# KiCad board s100_ColorMagic-1.1-006.kicad_pcb (continued)
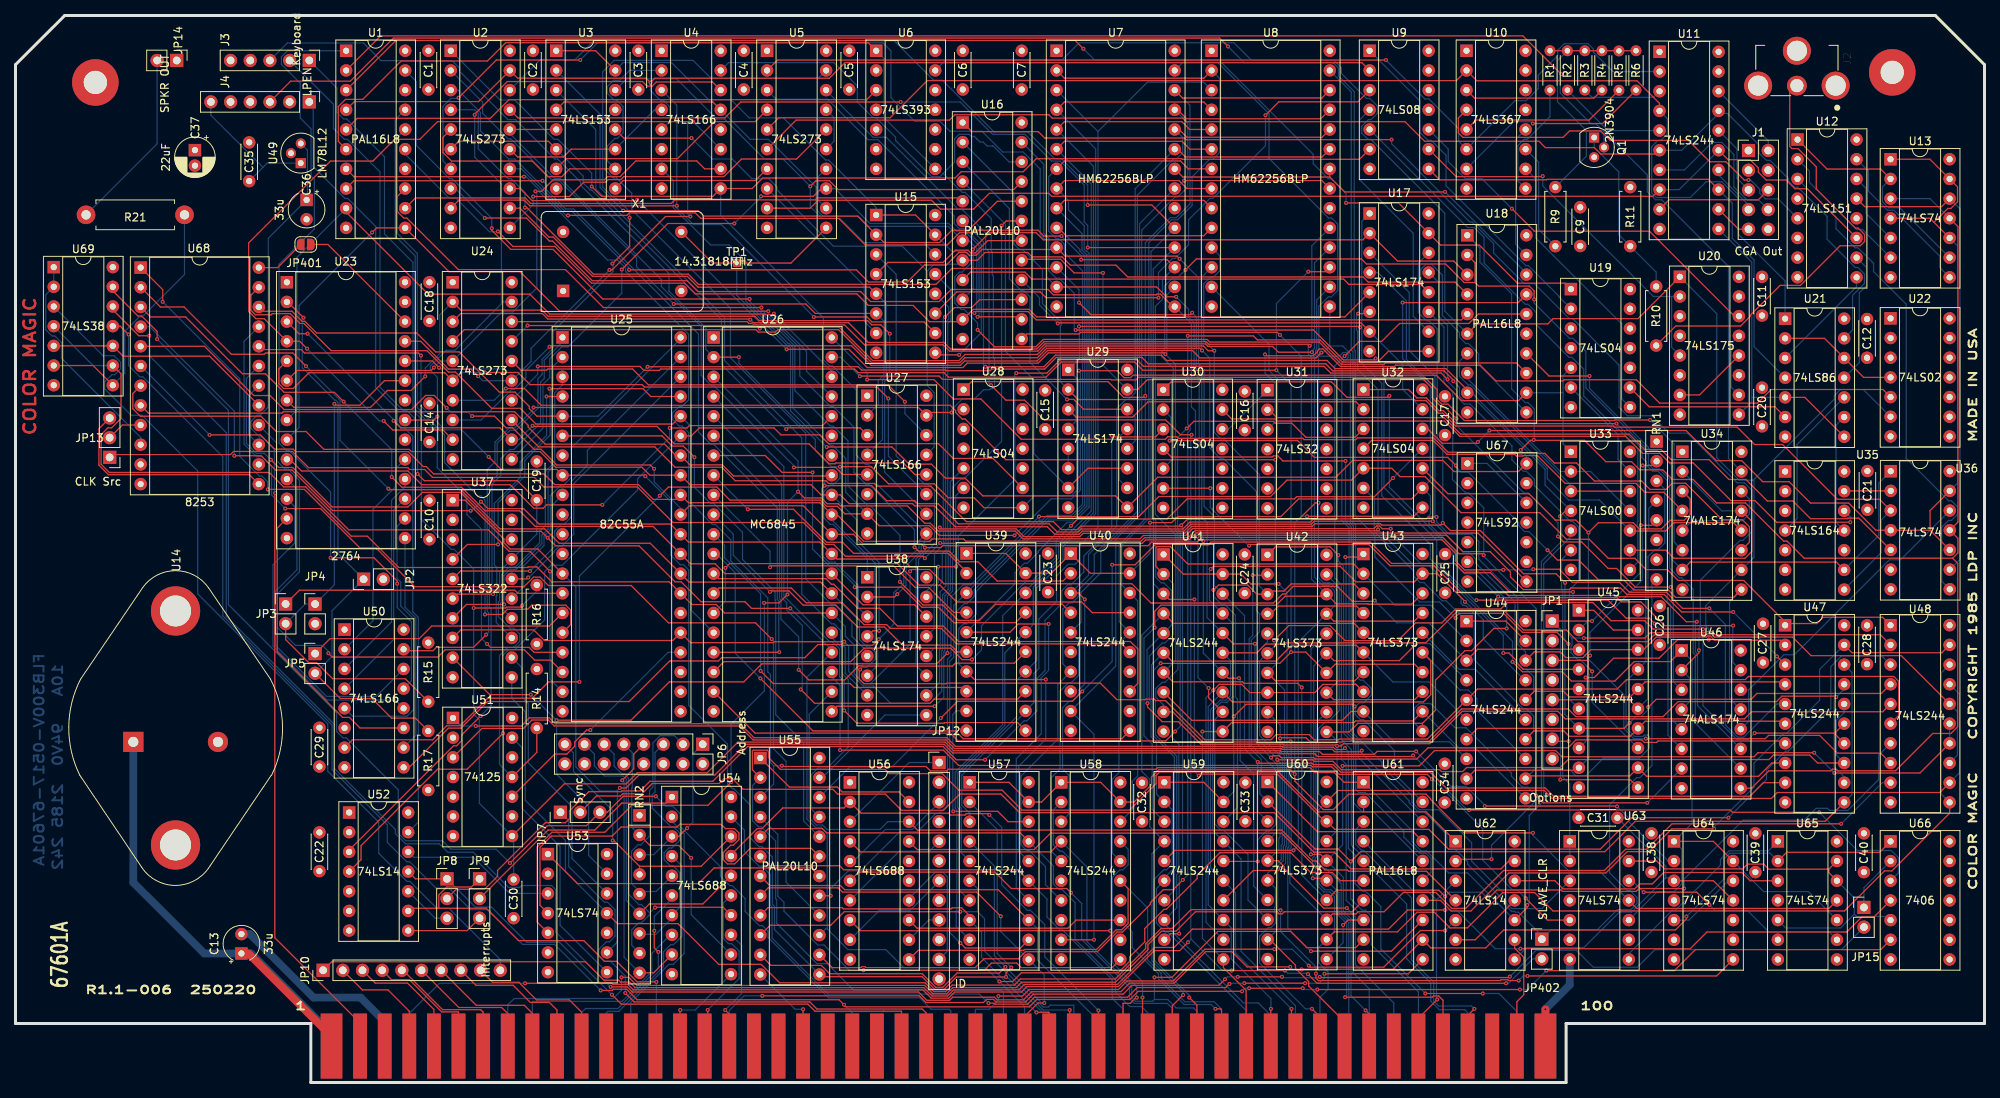
[diagram p0: board, top side]
## Routing (per net, layer and track width the routed paths; a pad name or vN(x,y) marks a point on that pad's centre or on a via; arc(x,y) is an arc through that point) (continued)
  Copper w0.152: v1(140.28,104.49) 140.28,92.57 143.42,89.43 ; v1(185.87,85.68) 185.87,84.79 194.58,76.09 195.11,76.09 198.98,72.21 v1(198.98,70.47) ; v1(213.53,63.93) 213.85,63.61 213.85,51.76 U46.3
Q7: length 158.8
  Component w0.152: v1(177.52,121.68) 151,121.68 150.79,121.89 132.76,121.89 131.93,122.72 123.35,122.72 U16.1 ; U46.2 217.16,55.45 v1(217.16,55.79)
  Copper w0.152: v1(217.16,55.79) 217.16,58.63 217.34,58.82 217.34,64.83 222.47,69.97 222.84,69.97 223.96,71.09 223.96,76.46 223.04,77.39 222.09,77.39 215.67,83.81 213.32,83.81 211.08,86.05 207.95,86.05 206.85,87.15 206.85,92.6 200.86,98.59 200.45,98.59 195.91,103.12 194.61,103.12 190.68,107.06 190.68,108.27 187.88,111.07 187.59,111.07 177.52,121.14 v1(177.52,121.68) ; U46.4 215.96,49.17 215.96,52.19 U46.2
Q8: length 77.8
  Component w0.152: U32.1 179.7,89.43 180.78,88.36 181.98,88.36 183.64,86.7 184.2,86.7 185.86,85.04 v1(206.53,85.04)
  Copper w0.152: v1(206.53,85.04) 209.81,81.75 209.81,80.66 210.36,80.11 210.36,79.7 211.17,78.89 211.87,78.89 213.07,77.69 213.07,62.1 213.5,61.67 213.5,47.03 U46.5
R: length 164.2
  Component w0.152: U11.4 212.08,126.36 209.16,129.28 188.52,129.28 U10.2 185.87,129.3 117.62,129.3 112.82,124.51 98.46,124.51 U5.5
  Copper w0.152: U21.1 228.28,103.44 222.25,109.46 222.25,114.11 220.11,116.25 218.09,116.25 216.05,114.22 211.67,114.22 211.07,114.82 211.07,120.78 211.87,121.59 212.23,121.59 213.09,122.44 213.09,124.39 U11.4
R_OUT: length 9.3
  Copper w0.152: J1.5 222.07,116.69 222.07,120.48 U11.16
RA0: length 103
  Component w0.152: U1.9 42.65,112.33 53.23,101.75 66.34,101.75 68.91,99.17 96.59,99.17 96.68,99.08 97.68,99.08 v1(97.83,99.22)
  Copper w0.152: v1(97.83,99.22) 105.3,91.75 U26.38 ; U1.9 36.3,106.48 36.3,86.79 U23.8
RA1: length 101.5
  Component w0.152: v1(46,109.71) 46.59,110.3 U1.11 55.93,104.63 65.09,104.63 70.18,99.54 v1(97.11,99.54)
  Copper w0.152: v1(97.11,99.54) 97.11,99.29 102.04,94.36 102.04,91.79 U26.37 ; U23.9 36.58,84.54 36.58,100.28 v1(46,109.71)
RA2: length 78.5
  Component w0.152: U26.36 104.09,84.78 86.93,84.78 86.61,84.47 v1(84.4,84.47) ; U23.10 35.4,80.42 36.9,78.92 50.63,78.92 52.4,77.15 63.82,77.15 66.84,74.12 68.07,74.12 68.5,74.55 v1(75.69,74.55)
  Copper w0.152: v1(75.69,74.55) 84.4,83.26 v1(84.4,84.47)
RESET: length 125.2
  Component w0.152: U25.35 87.18,83.45 88.2,84.48 97.84,84.48 98.74,83.59 103.75,83.59 104.88,82.45 119.06,82.45 120.97,80.54 126.11,80.54 U28.9 ; v1(62.89,45.07) 58.25,40.43 54.44,40.43 44.58,30.56 44.58,28.76 U52.4
  Copper w0.152: v1(62.89,45.07) 62.89,55.14 63.62,55.87 64.42,55.87 68.25,59.7 68.25,65.92 69.09,66.76 70.53,66.76 80.25,76.47 80.25,77.9 U25.35
SELBLUE: length 20.9
  Component w0.152: U15.4 112.53,105.84 119.67,105.84 121.24,107.41 122.88,107.41 123.23,107.06 123.81,107.06 125.41,108.66 U16.18
sINP: length 93.5
  Component w0.152: v1(168.14,27.55) 167.95,27.55 163.33,32.18 133.53,32.18 131.41,30.06 116.32,30.06 U56.17 ; v1(171.52,11.01) 182.76,11.01 182.92,11.17 183.59,11.17 184.15,10.62 P1.46
  Copper w0.152: v1(171.52,11.01) 171.72,11.21 171.72,20.52 170.45,21.79 170.45,24.12 169.7,24.87 168.92,24.87 168.14,25.65 v1(168.14,27.55)
SL: length 188.4
  Component w0.152: v1(66.83,87.12) 116.47,87.12 117.5,86.09 117.88,86.47 v1(120.75,86.47) ; U50.15 50.25,55.73 53.85,55.73 54.28,56.16 59.08,56.16 v1(60.72,57.8)
  Copper w0.152: U16.22 128.17,118.81 126.12,120.87 126.03,120.87 126.03,120.87 125.32,120.87 124.81,121.38 124.42,121.38 123.99,121.8 123.98,121.8 123.7,122.08 123.31,122.08 123.03,122.36 121.72,122.36 121.14,121.78 121.14,118.79 119.67,117.32 ; v1(66.83,87.12) 66.83,86.89 64.41,84.47 63.68,84.47 61.85,82.64 61.85,80.1 60.85,79.1 60.85,60.8 61.03,60.63 61.03,58.11 v1(60.72,57.8) ; 119.67,117.32 119.26,116.91 118.19,116.91 113.53,121.57 113.53,122 111,124.53 110.61,124.53 108.59,126.55 108.59,128.61 105.58,131.62 91.98,131.62 U4.15 ; 119.67,117.32 122.12,114.88 122.49,114.88 125.86,111.51 125.86,107.32 126.01,107.18 126.01,104.25 126.15,104.11 126.15,93.51 126.29,93.37 126.29,90.42 126.3,90.41 126.3,89.81 126.03,89.54 125.81,89.54 125.68,89.41 124.9,89.41 123.75,88.26 122.19,88.26 120.75,86.82 v1(120.75,86.47)
sMEMR: length 38.7
  Component w0.152: v1(188.2,9.5) 187.33,8.63 P1.47
  Copper w0.152: v1(188.2,9.5) 187.83,9.87 183.6,9.87 182.94,10.52 182.94,12.97 180.08,15.83 180.08,23.83 173.95,29.96 173.65,29.96 172.89,30.72 172.89,32.66 U61.3
sOUT: length 35.9
  Component w0.152: P1.45 180.98,8.29 v1(183.4,10.71)
  Copper w0.152: 183.31,23.58 182.29,24.6 180.43,24.6 U61.4 ; 183.31,23.58 U62.3 ; 183.31,23.58 183.31,10.8 v1(183.4,10.71)
SPKR_DATA: length 104.1
  Component w0.152: U69.9 13.61,91.47 13.61,85.7 12.4,84.49 11.92,84.49 11.04,83.61 11.04,79.79 12.1,78.73 32.73,78.73 34.59,76.87 37.43,76.87 42.98,71.33 61.01,71.33 62.71,69.63 62.71,69.52 63.68,68.55 66.36,68.55 v1(68.95,65.97)
  Copper w0.152: U69.4 10.01,92.53 U69.9 ; U25.19 68.95,52.05 v1(68.95,65.97)
SPKR_GATE: length 69.8
  Component w0.152: U25.18 69.02,54.51 66.97,54.51 65.63,55.85 55.43,55.85 54.49,54.9 40.85,54.9 v1(40.36,55.39)
  Copper w0.152: v1(40.36,55.39) 40.36,55.63 39.58,56.41 36.12,56.41 33.78,58.75 33.78,63.05 36.62,65.89 36.62,77.71 35.19,79.15 34.79,79.15 33.68,80.26 33.68,82.55 U68.16
STR: length 151.8
  Component w0.152: U15.15 116.11,111.95 U15.1 ; U3.1 74.83,133.16 77.37,130.62 ; U18.13 193.59,92.87 176.7,92.87 176.53,92.7 171.03,92.7 168.17,95.56 168.17,95.56 154.07,95.56 153.73,95.89 132.57,95.89 131.63,94.95 126.29,94.95 v1(124.11,97.13)
  Copper w0.152: U15.1 111.03,112.91 104.89,119.05 104.51,119.05 99.06,124.49 94.65,124.49 92.34,126.81 89.44,126.81 84.62,131.63 78.38,131.63 77.37,130.62 ; v1(124.11,97.13) 124.11,98.02 122.37,99.77 122,99.77 121.17,100.59 121.17,103.99 121.76,104.58 122.09,104.58 123.2,105.69 123.2,106.51 122.43,107.29 120.77,107.29 U15.15
U35.12: length 88.8
  Component w0.152: v1(236.69,72.31) 227.18,72.31 224.38,75.1 221.29,75.1 216.43,79.96 213.4,79.96 212.17,81.19 209.89,81.19 207.68,83.4 186.31,83.4 184.34,85.36 162.76,85.36 162.48,85.64 156.88,85.64 U30.13
  Copper w0.152: U35.12 236.69,72.99 v1(236.69,72.31)
U35.13: length 6
  Component w0.152: U36.2 235.94,76.36 U35.13
VIDEO_EN: length 32.8
  Copper w0.152: U17.10 180.3,98.91 180.3,109.6 173.39,116.52 173.39,124.24 U9.4
VSYNC: length 133.6
  Component w0.152: U34.11 223.67,69.72 223.67,71.72 222.76,72.63 220.15,72.63 215.45,77.33 213.71,77.33 212.93,76.55 210.85,76.55 209.77,77.63 203.69,77.63 201.37,79.95 198.53,79.95 197.28,81.19 194.38,81.19 194.33,81.14 193.73,81.14 193.53,81.34 184.79,81.34 182.94,83.2 173.12,83.2 172.9,82.97 166.22,82.97 166.06,83.14 150.02,83.14 149.81,83.34 148.64,83.34 148.31,83.01 129.74,83.01 124.53,88.22 120.97,88.22 118.48,90.71 v1(109.87,90.71)
  Copper w0.152: U26.40 109.87,91.59 v1(109.87,90.71)
VSYNC_OUT: length 66.4
  Component w0.152: U9.8 183.71,116.5 197.5,116.5 197.56,116.56 218.37,116.56 U11.13
  Copper w0.152: U11.13 221.46,113.47 221.46,108.95 224.28,106.14 224.28,94.96 U21.4
XTRQ: length 124.6
  Component w0.152: v1(78.17,13.57) 79.11,13.57 80.15,12.53 117.27,12.53 118.35,11.45 120.12,11.45 120.91,12.24 129.08,12.24 129.78,12.94 141.88,12.94 146.08,17.14 146.08,17.77 147.83,19.52 149.69,19.52 152.2,22.03 162.73,22.03 163,21.76 163.39,21.76 163.66,22.04 172.43,22.04 U61.7
  Copper w0.152: 63.5,4.7 63.5,10.01 64.33,10.84 77.1,10.84 78.17,11.91 v1(78.17,13.57)
Net-(C31-Pad1): length 44.1
  Component w0.152: U64.11 219.03,26.04 U64.3
  Copper w0.152: U64.3 213.57,26.41 212.89,26.41 ; C31.1 212.89,27.91 212.89,26.41 ; 212.89,26.41 208.47,22 206.91,22 202.32,17.41 194.93,17.41 U62.8
Net-(J2-Pad2): length 57.7
  Component w0.152: R10.2 214.17,97.63 222.53,97.63 223.77,98.87 223.77,99.01 227.64,102.87 230.26,102.87 235.38,107.99 237.98,107.99 238.54,108.55 238.54,109.43 237.7,110.27 237.35,110.27 232.3,115.31 232.3,118.17 229.94,120.52 229.16,120.52 228.87,120.81 228.87,127.73 J2.2
Net-(J4-Pad1): length 101
  Copper w0.152: U52.13 51.96,33.61 51.96,60.03 51.25,60.74 51.25,83.39 50.14,84.49 49.83,84.49 49.24,85.08 49.24,86.92 46.46,89.7 46.46,110.49 42.84,114.11 42.49,114.11 38.41,118.19 38.41,126.05 J4.1
Net-(JP1-Pad1): length 53.7
  Component w0.152: RN1.5 211.05,71.91 v1(209.67,71.91) ; U45.11 208.29,39.09 v1(199.29,39.09) ; JP1.1 v1(203.37,59.56)
  Copper w0.152: v1(203.37,59.56) 209.56,65.75 209.56,71.8 v1(209.67,71.91) ; JP1.1 199.31,58.5 199.31,39.11 v1(199.29,39.09)
Net-(JP1-Pad3): length 48.9
  Component w0.152: 202.89,54.47 202.89,54.88 v1(203.11,55.09) ; 202.89,54.47 JP1.3 ; 202.89,54.47 202.89,53.56 v1(203.39,53.06) ; RN1.2 211.15,79.63 v1(209.9,79.63)
  Copper w0.152: v1(203.11,55.09) 203.11,58.1 209.84,64.84 209.84,71.18 210.13,71.46 210.13,79.4 v1(209.9,79.63) ; v1(203.39,53.06) 203.39,49.07 U45.13
Net-(JP1-Pad5): length 43
  Component w0.152: JP1.5 208.15,49.4 U45.15
  Copper w0.152: U45.15 210.59,49.53 210.59,67.87 211.47,68.75 211.88,68.75 212.76,69.63 212.76,76.58 RN1.3
Net-(JP1-Pad7): length 54.1
  Component w0.152: v1(200.34,44.04) 198.52,44.04 JP1.7
  Copper w0.152: v1(200.34,44.04) 200.34,40.52 201.3,39.57 202.55,39.57 204.85,41.87 209.48,41.87 210.78,43.16 210.78,44.57 210.51,44.84 210.13,44.84 209.96,44.66 208.87,44.66 207.76,45.78 207.76,51.78 U45.17 210.31,54.33 210.31,71.1 210.69,71.49 210.69,74.09 RN1.4
Net-(JP2-Pad1): length 72.6
  Component w0.152: JP5.2 41.9,49.56 45.97,49.56 48.51,47.03 51.58,47.03 R17.2 ; U23.2 35.11,100.74 v1(37.15,98.7)
  Copper w0.152: v1(37.15,98.7) 36.99,98.55 36.99,92.24 41.19,88.05 41.32,88.05 41.59,87.78 41.59,68.27 JP2.1 40.82,60.87 40.82,54.99 JP5.2
Net-(JP3-Pad2): length 66
  Component w0.152: v1(41.13,87.59) 41.31,87.41 44.43,87.41 47.6,90.58 U23.23 ; JP3.2 34.85,57.16 37.82,54.18 38.84,54.18 40.91,52.1 50.29,52.1 R15.2
  Copper w0.152: v1(41.13,87.59) 41.13,64.23 JP4.1 37.38,61.75 JP3.2
Net-(JP6-Pad1): length 19.2
  Component w0.152: v1(86.63,32.82) 85.57,31.76 U54.3
  Copper w0.152: JP6.1 87.38,42.38 87.38,33.56 v1(86.63,32.82) ; RN2.3 82.32,29.4 U54.3
Net-(JP6-Pad3): length 31
  Copper w0.152: 80.5,24.65 RN2.5 ; 80.5,24.65 82.65,24.65 U54.5 ; 80.5,24.65 79.46,25.68 79.46,29.84 80.29,30.67 80.65,30.67 81.79,31.81 81.79,37.68 82.22,38.11 82.22,43.83 83.16,44.76 85,44.76 JP6.3
Net-(JP6-Pad5): length 32.3
  Copper w0.152: RN2.7 80.62,19.12 82.59,19.12 84.68,21.21 U54.7 85.69,22.61 85.69,27.1 84.83,27.95 84.47,27.95 83.67,28.75 83.67,29.65 84.29,30.26 84.67,30.26 85.7,31.29 85.7,32.18 84.85,33.03 84.52,33.03 82.14,35.41 82.14,37.13 82.51,37.5 82.51,42.6 JP6.5
Net-(JP6-Pad7): length 36.7
  Component w0.152: RN2.9 82.32,14.16 U54.9 ; v1(78.27,39) 79.75,40.49 79.75,42.38 JP6.7
  Copper w0.152: RN2.9 78.51,16.15 78.51,38.77 v1(78.27,39)
Net-(JP6-Pad9): length 35.1
  Component w0.152: RN2.2 81.85,30.59 85.56,30.59 v1(87.16,28.99)
  Copper w0.152: RN2.2 79.49,32.95 79.49,37.96 79.55,38.03 79.55,42.59 JP6.9 ; U54.12 87.16,21.66 v1(87.16,28.99)
Net-(JP6-Pad11): length 42.5
  Component w0.152: U54.14 91.29,22.61 82.53,22.61 v1(82.5,22.58)
  Copper w0.152: 81.81,21.89 81.81,21.67 80.73,20.59 80.38,20.59 79.49,19.71 79.49,17.71 RN2.8 ; 81.81,21.89 80.75,22.95 80.43,22.95 79.07,24.31 79.07,39.25 78.49,39.84 78.22,39.84 77.22,40.84 77.22,42.38 JP6.11 ; 81.81,21.89 v1(82.5,22.58)
Net-(JP6-Pad13): length 40
  Component w0.152: RN2.6 81.77,23.05 88.67,23.05 U54.16
  Copper w0.152: RN2.6 78.79,23.49 78.79,39.14 78.37,39.56 75.97,39.56 74.68,40.85 74.68,42.38 JP6.13
Net-(JP6-Pad15): length 34.3
  Component w0.152: 80.5,27.91 77.17,31.23 v1(77.04,31.23) ; 80.5,27.91 RN2.4 ; 80.5,27.91 88.45,27.91 U54.18
  Copper w0.152: JP6.15 71.97,42.54 71.97,40.15 77.04,35.09 v1(77.04,31.23)
Net-(JP7-Pad2): length 129.3
  Component w0.152: U62.13 192.63,28.58 191.62,27.57 172.27,27.57 170.11,29.72 167.49,29.72 162.38,34.83 129.53,34.83 127.13,37.23 121.81,37.23 119.71,35.13 114.29,35.13 112.2,37.22 106.05,37.22 105.43,37.84 93.87,37.84 92.49,39.22 91.4,39.22 90.78,38.59 82.14,38.59 80.81,37.25 78.32,37.25 78.04,36.97 74.93,36.97 JP7.2
Net-(JP8-Pad2): length 135.4
  Component w0.152: v1(141.41,83.47) 141.56,83.32 147.05,83.32 U30.3 ; v1(125.08,41.65) 121.36,41.65 119.65,43.36 94.44,43.36 89.95,38.87 81.83,38.87 80.59,37.63 78.23,37.63 78.13,37.53 73.96,37.53 71.46,35.04 71.46,34.05 70.94,33.52 68.34,33.52 62.19,27.37 62.19,26.61 60.51,24.94 56.85,24.94 JP8.2
  Copper w0.152: v1(141.41,83.47) 141.41,71.55 137.81,67.95 137.81,65.89 136.16,64.24 135.75,64.24 134.98,63.47 134.98,61.82 132.81,59.64 132.81,53.17 131.75,52.11 131.75,47.96 130.48,46.69 130.11,46.69 v1(125.08,41.65)
Net-(JP8-Pad3): length 6.4
  Copper w0.152: JP8.3 54.14,21.21 U52.10
Net-(JP9-Pad2): length 30.2
  Component w0.152: JP9.2 68.7,32.58 74.73,32.58 78.21,36.06 83.9,36.06 U54.1
Net-(JP9-Pad3): length 9.9
  Component w0.152: JP9.3 58.26,19.6 U52.8
Net-(JP12-Pad1): length 14.7
  Copper w0.152: JP12.1 115.28,41.29 U56.3
Net-(JP12-Pad3): length 14.7
  Copper w0.152: JP12.3 119.15,36.12 115.68,32.65 112.2,32.65 108.12,28.58 U56.5
Net-(JP12-Pad5): length 14.7
  Copper w0.152: JP12.5 117.86,29.85 114,29.85 U56.7
Net-(JP12-Pad7): length 14.7
  Copper w0.152: JP12.7 119.15,25.96 115.42,22.23 111.46,22.23 107.65,18.42
Net-(JP12-Pad9): length 4.9
  Copper w0.152: 115.27,18.42 117.82,20.97 JP12.9
Net-(JP12-Pad11): length 17.9
  Copper w0.152: JP12.11 120.2,16.95 120.2,26.56 119.63,27.13 118.65,27.13 115.27,23.75 U56.14
Net-(JP13-Pad1): length 202.4
  Component w0.152: 31.39,81.44 35.71,81.44 37.8,79.35 50.6,79.35 50.84,79.11 52.78,79.11 53.8,78.09 66.93,78.09 68.16,76.86 80.23,76.86 84.82,72.27 101.66,72.27 104.49,69.44 105.54,69.44 107.06,67.92 117.05,67.92 v1(117.31,67.67) ; 31.39,81.44 U68.15 ; 31.39,81.44 28.14,81.44 27.73,81.04 12.51,81.04 JP13.1 ; v1(119.27,69.63) 119.33,69.58 145.34,69.58 145.79,70.03 151.39,70.03 152.28,70.93 157.63,70.93 157.65,70.91 188.67,70.91 U67.8
  Copper w0.152: v1(117.31,67.67) v1(119.27,69.63) ; U68.18 30.08,88.62 30.08,83.62 U68.15
Net-(JP13-Pad2): length 4.7
  Component w0.152: U68.9 13.78,84.85 12.15,83.22
Net-(JP13-Pad3): length 28.3
  Component w0.152: U68.13 30.17,78.44 11.99,78.44 10.76,79.67 10.76,84.38 JP13.3
Net-(JP14-Pad2): length 23.7
  Copper w0.152: R21.2 18.26,121.14 JP14.2
Net-(JP15-Pad1): length 7.4
  Copper w0.152: U66.2 238.45,25.15 JP15.1
Net-(JP401-Pad1): length 16.3
  Component w0.152: JP401.1 40.29,108.16 U23.26
Net-(Q1-Pad1): length 22.5
  Copper w0.152: Q1.1 203.65,120.69 206.82,117.51 206.82,109.41 R11.2 211.65,104.59 R10.1
Net-(Q1-Pad2): length 36.5
  Component w0.152: R6.2 206.87,133.16 R5.2 206.83,133.16 R4.2 R3.2 R2.2 R1.2
  Copper w0.152: Q1.2 204.92,122.28 204.34,122.85 202.64,122.85 ; 202.64,122.85 202.64,119.55 R9.2 ; 202.64,122.85 198.91,126.58 198.91,131.87 R2.2
Net-(R1-Pad1): length 15.1
  Copper w0.152: R1.1 197.95,124.66 195.01,121.72 194.61,121.72 193.79,120.91 193.79,116.38 U10.9
Net-(R2-Pad1): length 14
  Copper w0.152: R2.1 205.42,122.86 U11.5
Net-(R3-Pad1): length 10.3
  Copper w0.152: R3.1 203.37,127.15 211.29,127.15 U11.3
Net-(R4-Pad1): length 18.3
  Component w0.152: R4.1 203.61,127.04 188.21,127.04 U10.3
Net-(R5-Pad1): length 21.8
  Component w0.152: R5.1 203.01,124.22 188.4,124.22 U10.5
Net-(R6-Pad1): length 26.3
  Component w0.152: v1(195.73,123.76) 204.73,123.76 R6.1
  Copper w0.152: v1(195.73,123.76) 195.49,124 193.27,124 U10.7
Net-(R9-Pad1): length 14.1
  Copper w0.152: R9.1 196.49,110.09 196.49,118.77 U10.11
Net-(R21-Pad1): length 34.7
  Component w0.152: U69.6 10.01,92.53 U69.8
  Copper w0.152: U69.8 14.1,91.54 14.1,96.94 15.97,98.82 16.34,98.82 21.8,104.28 R21.1
Net-(U12-Pad1): length 29.1
  Component w0.152: U12.1 233.69,117.89 240.61,117.89 U13.2
  Copper w0.152: U13.9 243.07,112.89 241.63,112.89 240.84,113.68 240.84,115.57 U13.2
Net-(U12-Pad2): length 18.1
  Copper w0.152: U12.2 231.42,117.62 231.42,116.17 237.5,110.08 238.25,110.08 U13.6
Net-(U12-Pad3): length 63.4
  Copper w0.152: U12.3 234.84,111.65 234.84,110.18 237.3,107.72 237.67,107.72 239.69,105.7 239.69,104.66 243.89,100.46 243.89,80.56 249.37,75.09 249.71,75.09 250.54,74.26 250.54,73.35 249.73,72.55 249.37,72.55 248.48,71.65 248.48,64.7 U36.8
Net-(U12-Pad9): length 14.2
  Copper w0.152: U21.3 237.5,102.72 U12.9
Net-(U12-Pad10): length 17.2
  Copper w0.152: U21.11 237.84,92.9 237.84,101.91 238.8,102.86 238.8,105.16 U12.10
Net-(U12-Pad13): length 61.8
  Component w0.152: U12.13 238.53,113.04 248.47,113.04 U13.12
  Copper w0.152: U13.12 250.83,112.74 250.83,67.51 U36.9
Net-(U12-Pad14): length 9.4
  Copper w0.152: U12.14 238.73,115.39 238.73,112.15 U13.5
Net-(U12-Pad15): length 20.7
  Copper w0.152: U13.8 248.23,105.19 248.23,106.64 242.3,112.57 241.49,112.57 239.04,115.03 239.04,117.62 U12.15
Net-(U15-Pad11): length 74.7
  Component w0.152: U9.3 173.17,126.57 162.97,126.57 v1(161.24,124.84) ; v1(147.45,101.29) 132.93,101.29 132.17,102.04 121.43,102.04 U15.11
  Copper w0.152: v1(147.45,101.29) 147.45,104.54 149.26,106.36 149.57,106.36 151.33,108.11 151.33,111.34 154.09,114.11 154.45,114.11 161.24,120.9 v1(161.24,124.84)
Net-(U19-Pad6): length 14
  Copper w0.152: U19.6 206.73,83.61 206.73,80.39 U33.13
Net-(U19-Pad9): length 21.6
  Component w0.152: U21.6 226.95,87.21 210.75,87.21 U19.9
Net-(U20-Pad2): length 49.1
  Component w0.152: U9.9 185.85,116.91 196.94,116.91 v1(197.01,116.97)
  Copper w0.152: U20.5 213.64,94.88 213.64,101.44 ; 213.64,101.44 U20.2 ; 213.64,101.44 211.28,101.44 197.01,115.72 v1(197.01,116.97)
Net-(U20-Pad10): length 8.5
  Copper w0.152: 222.32,88.74 221.31,89.75 221.31,95.35 U20.13
Net-(U20-Pad12): length 9.7
  Component w0.152: 214.7,88.74 217.24,88.74 U20.12
Net-(U20-Pad14): length 51
  Component w0.152: v1(193.03,112.77) 195.93,109.87 210.78,109.87 221.75,98.9 U20.14
  Copper w0.152: U9.10 184.82,120.47 184.82,118.85 187.03,116.64 189.16,116.64 v1(193.03,112.77)
Net-(U21-Pad9): length 15.5
  Copper w0.152: U21.9 234.85,84.83 234.85,72.29 U35.11
Net-(U21-Pad10): length 20.3
  Copper w0.152: U35.4 229.82,72.77 229.82,82.34 U21.10
Net-(U21-Pad12): length 15.7
  Component w0.152: U22.4 238.4,91 U21.12 233.36,96.04 U21.2
Net-(U22-Pad5): length 96.1
  Component w0.152: v1(161.19,93.97) 161.36,93.79 167.43,93.79 167.94,94.3 167.94,94.41 168.2,94.67 168.66,94.67 170.92,92.41 177.87,92.41 178.03,92.57 188.95,92.57 190.98,90.55 199.63,90.55 199.79,90.7 209.08,90.7 212.1,87.68 224.72,87.68 226.48,89.44 240.9,89.44 U22.5
  Copper w0.152: U31.3 162.51,85.28 162.51,90.24 161.19,91.56 v1(161.19,93.97)
Net-(U25-Pad1): length 42.7
  Component w0.152: v1(61.6,63.03) 56.97,63.03 U37.6
  Copper w0.152: U25.1 70.56,95.58 68.2,93.22 68.2,90.85 67.74,90.38 67.74,85.14 64.29,81.69 63.79,81.69 62.61,80.51 62.61,78.37 61.47,77.22 61.47,63.16 v1(61.6,63.03)
Net-(U25-Pad2): length 38.1
  Copper w0.152: U37.14 62.58,61.35 62.58,61.89 62.73,62.04 62.73,65.56 63.66,66.5 64.45,66.5 67.61,69.66 67.61,71.13 68.34,71.86 68.34,78.84 69.25,79.75 69.25,89.12 69.34,89.21 69.34,92.4 U25.2
Net-(U25-Pad3): length 40.3
  Component w0.152: U37.7 58.18,61.7 v1(63.04,61.7)
  Copper w0.152: U25.3 70.56,90.03 69.55,89.03 69.55,79.66 68.7,78.81 68.7,71.43 67.89,70.62 67.89,69.53 64.58,66.22 63.81,66.22 63.01,65.41 63.01,61.73 v1(63.04,61.7)
Net-(U25-Pad4): length 37
  Component w0.152: U25.4 v1(68.51,88.53)
  Copper w0.152: U37.13 62.02,59.37 62.02,62.8 62.1,62.88 62.1,66.46 61.77,66.79 61.77,74.73 65.1,78.06 65.1,80.09 68.51,83.5 v1(68.51,88.53)
Net-(U25-Pad37): length 46.9
  Component w0.152: v1(62.25,69.44) 58.3,69.44 U37.4 ; U25.37 81.96,88.53 80.95,89.54 v1(68.87,89.54)
  Copper w0.152: v1(68.87,89.54) 68.97,89.45 68.97,83.56 65.69,80.29 65.69,78.26 62.25,74.81 v1(62.25,69.44)
Net-(U25-Pad38): length 36.5
  Component w0.152: v1(66.14,65.19) 65.95,65 U37.16
  Copper w0.152: U25.38 72.01,77.28 72.01,70.76 70.46,69.22 70.14,69.22 69.47,68.54 69.47,68.41 66.24,65.19 v1(66.14,65.19)
Net-(U25-Pad39): length 46.2
  Component w0.152: v1(66.37,66.01) 57.41,66.01 U37.5
  Copper w0.152: U25.39 73.77,81.59 73.77,79.65 71.69,77.57 71.69,72.99 70.73,72.03 70.41,72.03 69.55,71.17 69.55,69.19 v1(66.37,66.01)
Net-(U25-Pad40): length 42.9
  Copper w0.152: U25.40 85.8,95.99 71.69,81.88 71.69,78.07 70.72,77.11 70.36,77.11 68.99,75.73 68.99,71.31 68.18,70.5 68.18,69.31 65.56,66.69 65.56,64 U37.15
Net-(U28-Pad6): length 115.5
  Component w0.152: v1(69.8,46.76) 79.4,46.76 84.34,51.71 93.95,51.71 96.28,54.04 108.64,54.04 108.65,54.05 109.27,54.05 109.28,54.04 118.83,54.04 v1(120.22,55.42) ; v1(66.47,50.06) 61.17,50.06 U37.9
  Copper w0.152: v1(66.47,50.06) 69.77,46.76 v1(69.8,46.76) 69.8,39.77 73.93,35.64 73.93,29.31 U53.13 ; U28.6 121.29,75.72 121.29,68.18 120.88,67.77 120.88,63.41 120.22,62.75 v1(120.22,55.42)
Net-(U30-Pad1): length 101.1
  Component w0.152: v1(177.23,88.62) 177.03,88.42 171.75,88.42 169.74,90.43 149.09,90.43 U30.1 ; v1(221.57,58.97) 212.74,58.97 209.67,62.03 207.14,62.03 206.6,62.57 191.4,62.57 v1(191.26,62.71)
  Copper w0.152: U46.15 221.52,54.25 221.52,58.92 v1(221.57,58.97) ; v1(191.26,62.71) 188.3,65.67 186.92,65.67 185.43,67.16 185.43,68.62 177.23,76.82 v1(177.23,88.62)
Net-(U30-Pad4): length 101.4
  Component w0.152: v1(171.57,80.22) 163.49,80.22 162.84,80.87 162.26,80.87 162.12,80.73 149.1,80.73 U30.4
  Copper w0.152: v1(171.57,80.22) 171.57,72.44 172.31,71.7 172.31,48.74 172.24,48.67 172.24,45.39 176.27,41.37 176.27,40.87 180.14,36.99 180.14,36.17 181.1,35.2 183.58,35.2 187.84,30.95 187.84,28.56 192.22,24.18 192.22,23.25 193.02,22.45 196.91,22.45 U63.3
Net-(U30-Pad12): length 7.9
  Copper w0.152: U31.1 156.47,84.31 U30.12
Net-(U31-Pad2): length 87.9
  Component w0.152: U36.5 237.8,72.83 236.38,72.83 236.31,72.76 231.56,72.76 229.28,75.05 225.99,75.05 223.21,77.82 221.04,77.82 218.47,80.39 213.59,80.39 212.29,81.69 210.16,81.69 208.17,83.68 186.42,83.68 184.29,85.81 162.71,85.81 161.7,86.81 U31.2
Net-(U32-Pad4): length 45.4
  Component w0.152: U32.4 174.93,82.86 182.87,82.86 184.68,81.06 193.41,81.06 193.62,80.85 194.44,80.85 194.5,80.91 196.32,80.91 199.91,77.32 209.04,77.32 210.18,76.17 212.63,76.17 U34.4
Net-(U32-Pad6): length 32
  Component w0.152: U44.1 192.26,59.54 U44.19
  Copper w0.152: U44.1 184.56,62.16 184.04,62.16 181.68,64.53 181.19,64.53 180.37,65.35 180.37,66.03 175.29,71.11 175.29,75.32 U32.6
Net-(U33-Pad6): length 41.1
  Copper w0.152: U63.2 U63.1 200.5,38.52 199.59,39.43 199.59,63.56 199.44,63.71 199.44,67.49 U33.6
Net-(U33-Pad8): length 72.7
  Copper w0.152: U33.8 209.28,67.17 209.28,71.65 209.21,71.72 209.21,72.37 209.29,72.45 209.29,81.84 206.83,84.3 206.6,84.3 202.3,88.61 202.3,92.06 200.77,93.59 200.4,93.59 196.19,97.8 196.19,99.35 195.1,100.44 194.74,100.44 189.45,105.74 189.45,109.06 188.17,110.35 187.33,110.35 U9.5
Net-(U33-Pad9): length 32
  Component w0.152: U33.9 212.9,68.7 213.94,67.66 223.1,67.66 223.96,68.52 223.96,72.46 U34.13
  Copper w0.152: U34.13 220.11,73.78 U34.2
Net-(U34-Pad14): length 12.9
  Copper w0.152: U34.14 223.66,75.3 223.66,73.36 222.81,72.5 216.3,72.5 U34.5
Net-(U37-Pad11): length 197.2
  Component w0.152: v1(167.76,14.05) 167.76,13.47 168.08,13.15 191.53,13.15 191.64,13.27 192.5,13.27 192.61,13.16 v1(193.9,13.16) ; v1(163.19,22.22) 163.1,22.32 151.64,22.32 149.21,19.88 147.79,19.88 147.79,19.88 145.79,17.88 145.79,17.29 141.86,13.36 129.64,13.36 128.85,12.57 120.84,12.57 120,11.73 118.47,11.73 117.33,12.87 98.57,12.87 96.19,15.25 90.71,15.25 85.45,20.51 77.65,20.51 U53.11 ; U64.8 219.44,13.75 v1(195.04,13.75)
  Copper w0.152: v1(193.9,13.16) 194.5,13.75 v1(195.04,13.75) ; v1(163.19,22.22) 163.19,19.47 167.76,14.91 v1(167.76,14.05) ; U37.11 64.02,49.59 65.76,47.85 65.76,36.42 70.94,31.24 70.94,27.22 U53.11
Net-(U37-Pad12): length 35.5
  Copper w0.152: U37.12 65.38,53.47 65.38,49.7 66.15,48.92 66.15,41.25 71.78,35.62 71.78,28.92 U53.12
Net-(U51-Pad13): length 35.3
  Copper w0.152: U53.8 70.25,20.29 70.25,30.46 65.37,35.34 65.37,43.19 U51.13
Net-(U52-Pad12): length 20.2
  Copper w0.152: U52.12 51.36,29.06 59.07,29.06 63.74,24.4 U53.3
Net-(U55-Pad1): length 21.5
  Component w0.152: 115.27,36.2 113.96,37.5 106.64,37.5 106.01,38.13 99.83,38.13 U55.1
Net-(U62-Pad11): length 9.7
  Component w0.152: 185.78,18.42 188.31,18.42 U62.11
Net-(U62-Pad12): length 35.7
  Component w0.152: U62.12 198.58,26.04 199.63,24.99 208.88,24.99 209.52,25.63 211.15,25.63 212.61,27.1 222.7,27.1 223.76,26.04 U65.3
Net-(U63-Pad8): length 26.4
  Copper w0.152: U65.1 226.12,29.9 221.05,29.9 219.93,28.78 219.93,28.04 214.12,22.23 213.74,22.23 208.12,16.61 U63.8
Net-(U63-Pad12): length 30
  Component w0.152: v1(210.04,24.56) 216.88,24.56 v1(218.51,22.92)
  Copper w0.152: U63.12 208.56,26.04 v1(210.04,24.56) ; 234.97,18.42 233.96,19.43 226.18,19.43 223.38,22.23 219.21,22.23 v1(218.51,22.92)
Net-(U63-Pad13): length 51.4
  Component w0.152: U65.12 233.91,27.09 233.91,27.53 ; 233.91,27.53 U65.13 ; 233.91,27.53 226.17,27.53 225.51,28.19 223.43,28.19 222.82,27.57 212.73,27.57 211.72,28.58 U63.13
  Copper w0.152: 237.21,21.73 237.21,23.79 U65.12 ; 237.21,21.73 235.42,19.94 228.37,19.94 U65.5 ; 237.21,21.73 237.52,21.42 241.42,21.42 U66.5
